# Altium PCB DI543.PcbDoc (part 1 of 8) (continued)
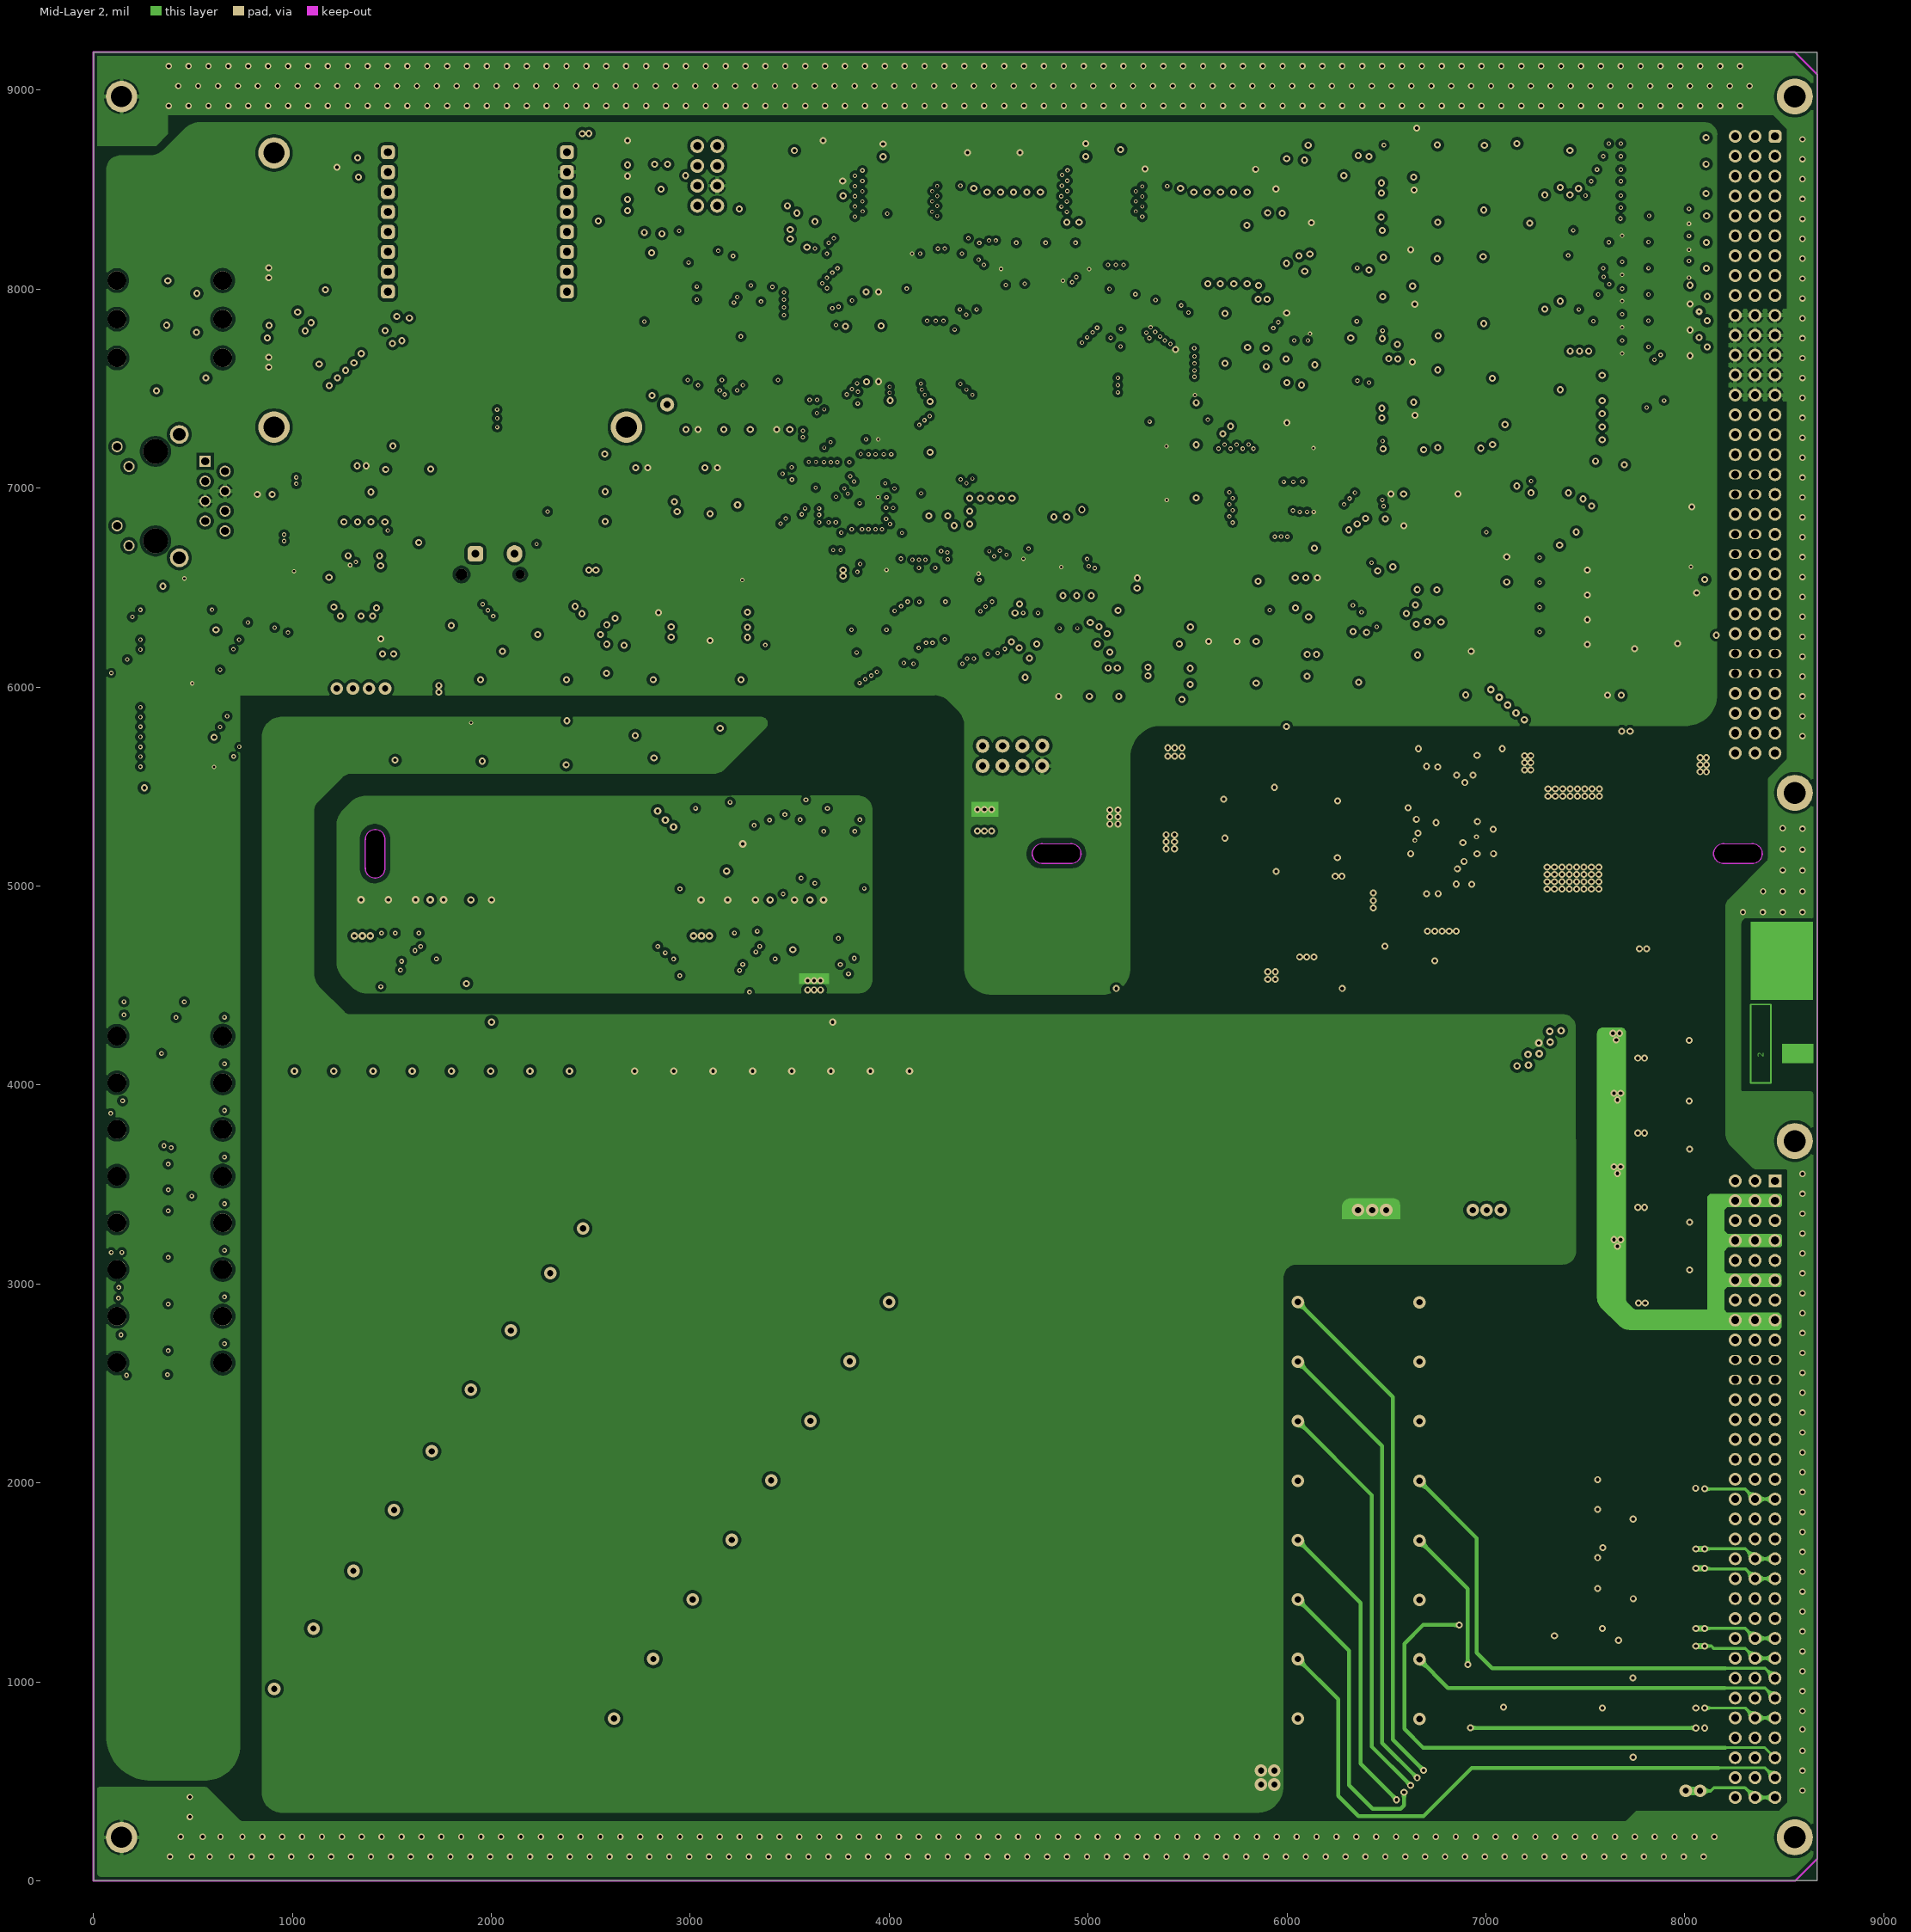
[diagram p3: Mid-Layer 2]

## Layer stack, top to bottom
Top Solder: solder mask 0.4, SM-001, Dk 3.5
Top Layer: signal copper 1.4
Dielectric 1: core 10, FR-4, Dk 4.2
Mid-Layer 1: signal copper 1.4
Dielectric2: dielectric 10, FR-4, Dk 4.2
Mid-Layer 2: signal copper 1.4
Dielectric3: dielectric 10, FR-4, Dk 4.2
Bottom Layer: signal copper 1.4
Bottom Solder: solder mask 0.4, SM-001, Dk 3.5

## Board outline
0,0 0,9192.01 8666.42,9192.01 8666.42,0
cut-out: 4768.1,5114 cw(c4768.05,5161.95) 4720.1,5162 cw(c4770.05,5163.05) 4769,5213 4914,5213 cw(c4914,5162) 4965,5162 cw(c4917,5162) 4917,5114
cut-out: 8193.1,5114 cw(c8193.05,5161.95) 8145.1,5162 cw(c8195.05,5163.05) 8194,5213 8339,5213 cw(c8339,5162) 8390,5162 cw(c8342,5162) 8342,5114
cut-out: 1367,5233.95 cw(c1417.91,5234.05) 1416.98,5284.95 cw(c1415.03,5234.03) 1466,5234.03 1466,5090 cw(c1416,5090) 1416.97,5040.01 cw(c1415.95,5088.96) 1367,5087.94

## Design rules (kind name [scope] priority, off if disabled: settings)
AssemblyTestPointUsage [All] p1: valid=2
Clearance [All] p1: gap=10 ignorepadtopadclearanceinfootprint=FALSE except(5: Arc-Arc Arc-Track Arc-SMDPad Track-Track Track-SMDPad SMDPad-SMDPad SMDPad-THPad; 15: Arc-Poly Track-Poly SMDPad-Poly THPad-Poly Via-Poly Fill-Poly Poly-Poly)
ComponentClearance [All] p1 off: gap=10 collisioncheckmode=3 verticalgap=10 showdistances=FALSE
DiffPairsRouting [All] p1: maxlimit=20 minlimit=8.66 mostfreqgap=20 toplayer_minwidth=7 toplayer_maxwidth=20 toplayer_prefwidth=20 midlayer1_mingap=10 midlayer1_minwidth=7 midlayer1_maxwidth=20 midlayer1_prefwidth=20 midlayer2_mingap=10 midlayer2_minwidth=7 midlayer2_maxwidth=20 midlayer2_prefwidth=20 bottomlayer_minwidth=7 bottomlayer_maxwidth=20 bottomlayer_prefwidth=20 maxuncoupledlength=500
FabricationTestPointUsage [All] p1: valid=2 allowmultiple=FALSE
HoleSize [All] p1: absolutevalues=TRUE maxlimit=200 minlimit=11.81 maxpercent=80.000 minpercent=20.000
MinimumSolderMaskSliver [All] p1 off: minsoldermaskwidth=10
NetAntennae [All] p1 off: netantennaetolerance=0
PlaneClearance [All] p1: clearance=5
PlaneConnect [All] p1: planeconnectstyle=Relief reliefexpansion=20 reliefentries=4 reliefconductorwidth=20 reliefairgap=5
PolygonConnect [All] p1: thpad.connectstyle=Relief thpad.reliefconductorwidth=20 thpad.reliefentries=4 thpad.polygonreliefangle="90 Angle" thpad.airgapwidth=10 smdpad.connectstyle=Direct smdpad.reliefconductorwidth=20 smdpad.reliefentries=4 smdpad.polygonreliefangle="90 Angle" smdpad.airgapwidth=10 via.connectstyle=Direct via.reliefconductorwidth=20 via.reliefentries=4 via.polygonreliefangle="90 Angle" via.airgapwidth=10
RoutingVias [All] p1: holewidth=20 width=30 viastyle="Through Hole" minholewidth=7 minwidth=14 maxholewidth=35 maxwidth=65
SilkToSilkClearance [All] p1 off: silktosilkclearance=10
SilkToSolderMaskClearance SilkscreenOverComponentPads [IsPad] p1 off: minsilkscreentomaskgap=1 clearancetoexposedcopper=TRUE
SolderMaskExpansion [All] p1: expansion=4 istentingtop=FALSE
Width [All] p1: maxlimit=200 minlimit=5.91 preferedwidth=20 midlayer1_minwidth=7 midlayer2_minwidth=7 bottomlayer_minwidth=7 minimp=50.000000 maximp=50.000000 favimp=50.000000
19 further rules are at their usual default settings.

## Classes and differential pairs
net class test: RD2_N RD2_P TD2_N TD2_P
component class P15_Input.SchDoc: C121 C126 C127 C128 C129 C130 C131 C132 C133 C134 C135 C136 C137 C138 C139 C140 C141 C142 C143 C144 C145 C146 C147 C148 CP1 CP2 D1_F D2_F D3_F D4_F D5_F D6_F D7_F D8_F D9_F D10_F D11_F D12_F D13_F D14_F D15_F D16_F D23 D24 D25 D26 D27 D28 D29 D30 D39 D40 D41 D42 D43 D44 D45 D46 DP1 DP2 R175 R176 R222 R223 R224 R225 R226 R227 R228 R229 R230 R231 R232 R233 R234 R235 R236 R237 R238 R239 R240 R241 R242 R243 R244 R245 R246 R247 R248 R249 R251 R252 R253 R254 R255 R256 R257 R260 R261 R262 R263 R264 R265 R266 R267 R268 R269 R270 R271 R272 R273 R274 R275 RL1 RL2 RP1 RP2 U27 U28
component class P14_JTAG.SchDoc: J26 R164 R165 R166 R167 R168 R169 R170 U21
component class P13_EMMC.SchDoc: C104 C105 C106 C107 C108 C109 C110 C111 C112 C113 C114 C115 C116 R161 R162 R163 TP1 U20
component class P12_LED.SchDoc: C103 J_1 J_2 J_3 LED_1 LED_2 LED_3 LED_4 LED_5 LED_6 R155 R156 R157 R158 R159 R160 U19
component class P11_Peripheral.SchDoc: C96 C97 C98 C99 C100 C101 C102 C169 C170 R137 R138 R139 R140 R141 R142 R143 R144 R145 R146 R147 R148 R149 R150 R151 R152 R153 R154 R288 R289 R290 R291 R292 R293 R294 R295 R296 R297 R298 R299 R300 R301 R302 R303 U16 U17 U18 U_1 U_2
component class P10_RTC.SchDoc: C94 C95 D14 R133 R134 R135 R136 U15
component class P9_Globalinterface.SchDoc: C123 C125 J1 J2 J3 J4 J5 J6 J7 J8 LED1 LED2 LED3 LED4 LED5 LED6 LED7 LED8 LED9 LED10 LED11 LED12 LED13 LED14 LED15 LED16 P1 P2 P3 P4 R184 R185 R186 R187 R189 R191 R193 R195 R197 R199 R201 R203 R205 R207 R209 R211 R213 R215 R217 U23 U24
component class P6_CAN.SchDoc: C62 C63 C64 C65 C66 C67 C68 C69 C70 C71 C72 C73 C74 C75 C76 C77 C78 C79 C183 C184 C185 D11 D12 D13 L5 L6 L7 R71 R74 R75 R76 R77 R78 R79 R80 R81 R82 R83 R84 R85 R87 R88 R89 R90 R91 R92 R93 R94 R95 R96 R97 U7 U8 U9 U10 U11 U12 X_C1 X_C2 X_C3 Y1 Y2 Y3
component class P5_Interface.SchDoc: C58 C59 C60 C61 C93 C118 C119 C120 C122 C124 C149 C150 C151 C152 C153 C154 C155 C156 C157 C158 C159 C160 C161 C162 C163 C164 C165 C166 C167 C168 D47 D48 D49 D50 DT13 DT14 DT15 DT16 ISO1 ISO2 ISO3 ISO4 LEDF1 LEDF2 LEDF3 LEDF4 R181 R182 R188 R190 R192 R194 R196 R198 R200 R202 R204 R206 R208 R210 R212 R214 R216 R218 R250 R258 R259 R276 R277 R278 R279 R280 R281 R282 R283 R284 R285 R286 U6
component class P4_Power.SchDoc: 24V C42 C43 C44 C45 C46 C47 C48 C49 C50 C51 C52 C53 C54 C55 C56 C57 C171 C172 C173 C174 C175 C176 C177 C178 C179 C180 C181 C182 D7 D8 D9 D10 D15 D16 D17 D18 D19 D51 D53 DT5 DT6 DT7 DT8 EF1 EF2 EF3 EF4 EF5 F1 G-24 L2 L3 L4 R70 R72 R73 R304 R305 R306 R307 R308 R309 R310 R311 R312 R313 R314 R315 R316 R317 R318 TP2 TP3 TP4 TP5 U4 U5
component class P3_LowerConnector.SchDoc: DCNCF1 JP1 PCB1 PCB2
component class P2_UpperConnector.SchDoc: C34 C35 C36 C37 C38 C39 C40 C41 D1 D2 D3 D4 D5 D6 DCNCP1 DT1 DT2 DT3 DT4 R57 R58 R59 R60 R61 R62 R63 R64 R65 R66 R67 R68 R69 R287 U1 U2 U3
net class DIN[1..16]: DIN1 DIN2 DIN3 DIN4 DIN5 DIN6 DIN7 DIN8 DIN9 DIN10 DIN11 DIN12 DIN13 DIN14 DIN15 DIN16
net class RET24F-[1..4]: RET24F-1 RET24F-2 RET24F-3 RET24F-4
net class LED[1..5]: LED1 LED2 LED3 LED4 LED5
net class FPW[1..4]: FPW1 FPW2 FPW3 FPW4
net class FPOW[1..4]: FPOW1 FPOW2 FPOW3 FPOW4
net class D[0..7]: D0 D1 D2 D3 D4 D5 D6 D7
net class BPA[0..5]: BPA0 BPA1 BPA2 BPA3 BPA4 BPA5
net class A_CS[0..1]: A_CS0 A_CS1
component class P1_Micro.SchDoc: B1 BT1 C1 C2 C3 C4 C5 C6 C7 C8 C9 C10 C11 C12 C13 C14 C15 C16 C17 C18 C19 C20 C21 C22 C23 C24 C25 C26 C27 C28 C29 C30 C31 C32 C33 L1 R1 R2 R3 R4 R5 R6 R7 R8 R9 R10 R11 R12 R13 R14 R15 R16 R17 R18 R19 R20 R21 R22 R23 R24 R25 R26 R27 R28 R29 R30 R31 R32 R33 R34 R35 R36 R37 R38 R39 R40 R41 R42 R43 R44 R45 R46 R47 R48 R49 R50 R51 R52 R53 R54 R55 R56 R177 R178 R179 R180 R183 R219 R220 R221 UC1 VDDA X1 X2 "X 2"
differential pair TD: +TD_P -TD_N
differential pair TD2: +TD2_P -TD2_N
differential pair TD1: +TD1_P -TD1_N
differential pair RD: +RD_P -RD_N
differential pair RD2: +RD2_P -RD2_N
differential pair RD1: +RD1_P -RD1_N
differential pair TDB: +TDB_P -TDB_N
differential pair RDB: +RDB_P -RDB_N

## Components (designator, comment, footprint, x,y, rotation, side; value= is the part's Value field where it differs from the comment)
24V "Yellow" "TEST Point Yellow"#1 4545.32,5454.24 r90 top
B1 "Pushbutton" PushBotton 5793.18,6355.9 r180 top
BT1 "CR1220 Holder" "BAT Holder 1220" 1849.03,6563.94 r0 top
C1 "1pF,50V" "CAP 0603"#1 4636.8,5997.56 r0 top
C2 "1pF,50V" "CAP 0603"#1 4636.8,6107.02 r0 top
C3 "5.6pF 250V" "CAP 0603"#1 4985.73,6022.29 r90 top
C4 "5.6pF 250V" "CAP 0603"#1 5111.31,6023.29 r270 top
C5 "100nF, 50V" "CAP 0603"#1 4943.89,6393.38 r270 top
C6 "2.2uF" "CAP 0603"#1 4752.44,8123.7 r270 top
C7 "100nF, 50V" "CAP 0603"#1 4826.96,8123.7 r270 top
C8 "4.7uF, 35V" 3528-21 5755.79,6157.29 r270 top
C9 "4.7uF, 35V" 3528-21 5607.01,6157.29 r270 top
C10 "1uF,35V" "TANTAL 1206" 5455.84,6099.31 r180 top
C11 "1uF,35V" "TANTAL 1206" 5455.84,6006.92 r180 top
C12 "100nF, 50V" "CAP 0603"#2 4941.89,6530 r90 top
C13 "100nF, 50V" "CAP 0603"#1 5012.77,6530 r90 top
C14 "100nF, 50V" "CAP 0603"#1 3915.43,7280 r0 top
C15 "100nF, 50V" "CAP 0603"#1 3915.43,6925.16 r0 top
C16 "100nF, 50V" "CAP 0603"#1 4901.48,8123.7 r270 top
C17 "100nF, 50V" "CAP 0603"#1 3915.43,7580 r0 top
C18 "100nF, 50V" "CAP 0603"#1 4412.51,6530 r90 top
C19 "100nF, 50V" "CAP 0603"#1 5168.08,6530 r90 top
C20 "100nF, 50V" "CAP 0603"#2 4873,6530 r90 top
C21 "100nF, 50V" "CAP 0603"#1 4677.92,8123.7 r270 top
C22 "100nF, 50V" "CAP 0603"#1 4659.92,6530 r90 top
C23 "2.2uF, 25V" "Cap 1206" 3669.43,8035.7 r180 top
C24 "2.2uF, 25V" "Cap 1206" 5611,8056 r90 top
C25 "100nF, 50V" "CAP 0603"#1 5473,7436 r180 top
C26 "100nF, 50V" "CAP 0603"#3 5472.83,7658.2 r180 top
C27 "100nF, 50V" "CAP 0603"#1 5474,6948 r180 top
C28 "100nF, 50V" "CAP 0603"#2 5472.83,7217 r180 top
C29 "100nF, 50V" "CAP 0603"#1 5472.83,7832.14 r180 top
C30 "100nF, 50V" "CAP 0603"#1 4199.05,8123.7 r270 top
C31 "100nF, 50V" "CAP 0603"#1 3915.43,7899 r0 top
C32 "100nF, 50V" "CAP 0603"#1 4976,8123.7 r270 top
C33 "100nF, 50V" "CAP 0603"#1 4603.4,8123.7 r270 top
C34 "100nF, 50V" "CAP 0603"#1 6555,7047.38 r180 top
C35 "100nF, 50V" "CAP 0603"#1 7754.92,8403.03 r0 top
C36 "100nF, 50V" "CAP 0603"#1 7755,8205.3 r0 top
C37 "100nF, 50V" "CAP 0603"#1 7755,8139.39 r0 top
C38 "100nF, 50V" "CAP 0603"#1 7755,8007.56 r0 top
C39 "100nF, 50V" "CAP 0603"#1 7036.27,6150.64 r180 top
C40 "100nF, 50V" "CAP 0603"#1 7755,7875.74 r0 top
C41 "100nF, 50V" "CAP 0603"#1 7755,7743.91 r0 top
C42 "4.7nF, 2KV" "CAP 1812"#1 7886,2681.99 r90 top
C43 "4.7nF, 2KV" "CAP 1812"#1 8159,3698.77 r270 top
C44 "4.7nF, 2KV" "CAP 1812"#1 7886,3283.55 r90 top
C45 "4.7nF, 2KV" "CAP 1812"#1 8159,4300.34 r270 top
C46 "15uF, 50V" 7343 7703.1,5489.2 r0 top
C47 "15uF, 50V" 7343 7703.1,5282.7 r0 top
C48 "10uF, 50V" 7343 7703.1,5076.2 r0 top
C49 "4.7nF, 2KV" "CAP 1812"#1 8159,4601.12 r270 top
C50 "100nF, 50V" "CAP 0603"#1 6645.19,4557.25 r0 top
C51 "100nF, 50V" "CAP 0603"#1 6523.54,4554.99 r180 top
C52 "100uF, 25V" 7343 6099,4773 r180 top
C53 "470nF, 25V" "Cap 1206" 6685,5278.25 r270 top
C54 "3.3uF, 25V" "Cap 1206" 5023.88,5510.88 r180 top
C55 "100uF, 6.3V" 3528-21 5868.84,5443.88 r90 top
C56 "1uF, 25V" "Cap 1206" 7059,5710.23 r90 top
C57 "470nF, 25V" "Cap 1206" 6685,4685.09 r270 top
C58 "100nF, 50V" "CAP 0603"#1 7566.37,736.39 r90 top
C59 "100nF, 50V" "CAP 0603"#1 7566.37,1147.09 r90 top
C60 "100nF, 50V" "CAP 0603"#1 7566.37,1550.03 r90 top
C61 "100nF, 50V" "CAP 0603"#1 7566.37,1947.96 r90 top
C62 "22pF,50V" "CAP 0603"#1 6829,8399 r0 top
C63 "22pF,50V" "CAP 0603"#1 7064,8733 r0 top
C64 "22pF,50V" "CAP 0603"#1 6830,8336 r180 top
C65 "22pF,50V" "CAP 0603"#1 7065,8397 r180 top
C66 "22pF,50V" "CAP 0603"#1 6555,8594.15 r180 top
C67 "22pF,50V" "CAP 0603"#1 6555,8529.61 r180 top
C68 "22pF,50V" "CAP 0603"#1 6829,7833 r0 top
C69 "22pF,50V" "CAP 0603"#1 7064,8164 r0 top
C70 "22pF,50V" "CAP 0603"#1 6830,7765 r180 top
C71 "22pF,50V" "CAP 0603"#1 7065,7831 r180 top
C72 "22pF,50V" "CAP 0603"#1 6555,8022.89 r180 top
C73 "22pF,50V" "CAP 0603"#1 6555,7958.42 r180 top
C74 "22pF,50V" "CAP 0603"#1 6829,7272 r0 top
C75 "22pF,50V" "CAP 0603"#1 7064,7603 r0 top
C76 "22pF,50V" "CAP 0603"#1 6830,7204 r180 top
C77 "22pF,50V" "CAP 0603"#1 7065,7270 r180 top
C78 "22pF,50V" "CAP 0603"#1 6555,7462.09 r180 top
C79 "22pF,50V" "CAP 0603"#1 6555,7397.57 r180 top
C80 "100nF" "CAP 0603"#3 7036.27,6213.46 r180 top
C81 "100nF, 50V" "CAP 0603"#4 6495.29,6741.48 r270 top
C82 "100nF" "CAP 0603"#1 6926.62,6054.48 r90 top
C83 "100nF" "CAP 0603"#4 6433.39,6741.48 r270 top
C84 "100nF" "CAP 0603"#1 6266.23,6341.08 r0 top
C85 "22pF,50V" "CAP 0603"#5 6266.23,6278.27 r0 top
C86 "22pF,50V" "CAP 0603"#1 6267.23,6150.64 r180 top
C87 "100nF" "CAP 0603"#1 6431.39,6054.48 r90 top
C88 "100nF" "CAP 0603"#4 6681.01,6741.48 r270 top
C89 "100nF" "CAP 0603"#1 6493.29,6054.48 r90 top
C90 "10uF" "TANTAL 1206" 6276.49,6039.11 r180 top
C91 "10nF ,50V" "CAP 0603"#1 7679.21,6108.46 r90 top
C92 "10nF ,50V" "CAP 0603"#1 7442.25,6713.74 r0 top
C93 "4.7nF, 2KV" "CAP 1812"#2 8191.84,571.65 r180 top
C94 "100nF, 50V" "CAP 0603"#1 1328.77,6901.16 r270 top
C95 "1.5F" "SUPER CAP TH D20.00mm S5.00mm H6.00mm" 2019,6670 r180 top
C96 "100nF, 50V" "CAP 0603"#1 2756.2,7062.68 r0 top
C97 "100nF, 50V" "CAP 0603"#1 3106.6,7060.68 r180 top
C98 "100nF, 50V" "CAP 0603"#1 3299.48,8716.51 r90 top
C99 "100nF, 50V" "CAP 0603"#1 3707.48,8720.53 r90 top
C100 "100nF, 50V" "CAP 0603"#1 3299.48,8571.01 r90 top
C101 "100nF, 50V" "CAP 0603"#1 3707.48,8608.01 r90 top
C102 "100nF, 50V" "CAP 0603"#1 3299.48,8425.51 r90 top
C103 "100nF,16V" "CAP 0603"#4 1053.84,7621.39 r180 top
C104 "1nF,50V" "CAP 0603"#1 2894,7510.01 r0 top
C105 "1uF" "CAP 0603"#1 2894,7776.53 r0 top
C106 "100nF, 50V" "CAP 0603"#1 2894,7843.16 r0 top
C107 "100nF, 50V" "CAP 0603"#1 3267.79,7375.12 r90 top
C108 "100nF, 50V" "CAP 0603"#1 2894,7576.64 r0 top
C109 "100nF, 50V" "CAP 0603"#1 3135.13,7375.12 r90 top
C110 "4.7F, 50V" "CAP 0603"#1 3466.78,7375.12 r90 top
C111 "100nF, 50V" "CAP 0603"#1 3334.12,7375.12 r90 top
C112 "100nF, 50V" "CAP 0603"#1 3533.11,7375.12 r90 top
C113 "4.7F, 50V" "CAP 0603"#1 2894,7643.27 r0 top
C114 "100nF, 50V" "CAP 0603"#1 3201.46,7375.12 r90 top
C115 "100nF, 50V" "CAP 0603"#1 3442,8103.4 r270 top
C116 "100nF, 50V" "CAP 0603"#1 2894,7709.9 r0 top
C117 "1000pF,2KV" "Cap 1206" 8178.39,5714.8 r270 top
C118 "10nF ,50V" "CAP 0603"#1 2756.2,6499.51 r0 top
C119 "22uF, 35V" "CAP Tantal 7343" 4500.96,-7762.77 r0 top
C120 "100nF, 50V" "CAP 0603"#6 1696.83,5685.76 r270 top
C121 "100nF, 50V" "CAP 0603"#1 1723.62,4843.47 r270 top
C122 "4.7nF, 2KV" "CAP 1812"#2 8191.84,394.49 r180 top
C123 "100nF, 50V" "CAP 0603"#1 426.24,5969.59 r0 top
C124 "4.7nF, 2KV" "CAP 1812"#2 8191.84,972.84 r180 top
C125 "100nF, 50V" "CAP 0603"#1 426.24,6508.19 r0 top
C126 "1nF,50V" "CAP 0603"#1 1930,4315 r180 top
C127 "100nF, 50V" "CAP 0603"#1 920.38,4021.2 r180 top
C128 "100nF, 50V" "CAP 0603"#1 1117.59,4021.2 r180 top
C129 "100nF, 50V" "CAP 0603"#1 1314.79,4021.38 r180 top
C130 "100nF, 50V" "CAP 0603"#1 1512.34,4021.2 r180 top
C131 "100nF, 50V" "CAP 0603"#1 1709.9,4021.2 r180 top
C132 "100nF, 50V" "CAP 0603"#1 1907.45,4021.2 r180 top
C133 "100nF, 50V" "CAP 0603"#1 2105.01,4021.2 r180 top
C134 "100nF, 50V" "CAP 0603"#1 2302.56,4021.2 r180 top
C135 "1uF" "CAP 0603"#1 1310.62,4842.61 r90 top
C136 "100nF, 50V" "CAP 0603"#1 1379.12,4842.61 r90 top
C137 "1uF" "CAP 0603"#1 3019.28,4842.47 r90 top
C138 "100nF, 50V" "CAP 0603"#1 3087.78,4842.47 r90 top
C139 "100nF, 50V" "CAP 0603"#1 3432.28,4843.47 r270 top
C140 "1nF,50V" "CAP 0603"#1 3634.27,4315 r180 top
C141 "100nF, 50V" "CAP 0603"#1 2627.43,4021.2 r180 top
C142 "100nF, 50V" "CAP 0603"#1 2824.92,4021.2 r180 top
C143 "100nF, 50V" "CAP 0603"#1 3022.42,4021.2 r180 top
C144 "100nF, 50V" "CAP 0603"#1 3219.92,4021.2 r180 top
C145 "100nF, 50V" "CAP 0603"#1 3417.41,4021.2 r180 top
C146 "100nF, 50V" "CAP 0603"#1 3614.91,4021.2 r180 top
C147 "100nF, 50V" "CAP 0603"#1 3812.41,4021.2 r180 top
C148 "100nF, 50V" "CAP 0603"#1 4009.91,4021.2 r180 top
C149 "10nF ,50V" "CAP 0603"#1 3385.43,6436.58 r180 top
C150 "22uF, 35V" "CAP Tantal 7343" 4500.96,-7352.44 r0 top
C151 "100nF, 50V" "CAP 0603"#6 2565.3,5685.76 r270 top
C152 "4.7nF, 2KV" "CAP 1812"#2 8190.69,792.72 r180 top
C153 "4.7nF, 2KV" "CAP 1812"#2 8191.84,1370.62 r180 top
C154 "10nF ,50V" "CAP 0603"#1 3385.43,6498.37 r180 top
C155 "22uF, 35V" "CAP Tantal 7343" 4500.96,-6953.67 r0 top
C156 "100nF, 50V" "CAP 0603"#6 2997.7,5685.76 r270 top
C157 "4.7nF, 2KV" "CAP 1812"#2 8191.84,1191.49 r180 top
C158 "4.7nF, 2KV" "CAP 1812"#2 8191.84,1771.38 r180 top
C159 "10nF ,50V" "CAP 0603"#1 2756.2,6251.21 r0 top
C160 "22uF, 35V" "CAP Tantal 7343" 4500.96,-6553.9 r0 top
C161 "100nF, 50V" "CAP 0603"#6 2133.42,5685.76 r270 top
C162 "4.7nF, 2KV" "CAP 1812"#2 8191.84,1591.26 r180 top
C163 "100nF, 50V" "CAP 0603"#1 3384.43,6685.74 r0 top
C164 "100nF, 50V" "CAP 0603"#1 3384.43,6253.21 r0 top
C165 "100nF, 50V" "CAP 0603"#1 2757.2,6683.74 r180 top
C166 "100nF, 50V" "CAP 0603"#1 3071.32,6683.74 r180 top
C167 "100nF, 50V" "CAP 0603"#1 3070.32,6623.95 r0 top
C168 "100nF, 50V" "CAP 0603"#5 2757.2,6435.44 r180 top
C169 "100nF, 50V" "CAP 0603"#5 4049.66,8666.98 r0 top
C170 "100nF, 50V" "CAP 0603"#5 5068.64,8666.98 r0 top
C171 "100uF, 6.3V" 3528-21 5868.84,5122.84 r270 top
C172 "1uF, 25V" "Cap 1206" 7214,4864.77 r270 top
C173 "3.3uF, 25V" "Cap 1206" 5023.88,5038.84 r180 top
C174 "33uF, 25V" 7343 6099.61,4561 r180 top
C175 "3.3uF, 25V" "Cap 1206" 6703.29,5158 r0 top
C176 "3.3uF, 25V" "Cap 1206" 6703.29,5566 r0 top
C177 "100nF,16V" "CAP 0603"#1 6886.1,4931.09 r90 top
C178 "100nF,16V" "CAP 0603"#1 6886.1,5636.25 r90 top
C179 "22pF,50V" "CAP 0603"#1 6700.38,5201.69 r270 top
C180 "22pF,50V" "CAP 0603"#1 6698.38,5367.25 r90 top
C181 "330pF,50V" "CAP 0603"#1 6816.04,5517.23 r270 top
C182 "220pF,50V" "CAP 0603"#1 6814.04,5057.77 r90 top
C183 "100nF,16V" "CAP 0603"#1 6685.21,8723.22 r180 top
C184 "100nF,16V" "CAP 0603"#1 6679.74,8152.83 r180 top
C185 "100nF,16V" "CAP 0603"#1 6683,7592 r180 top
CN1 "PORT Ethernet" RJ45 342.86,6962.89 r90 top net-tie
CP1 "4.7uF, 50V" "Cap 1206" 1823.52,4222 r180 top
CP2 "4.7uF, 50V" "Cap 1206" 3538,4222 r180 top
D1 "40V, 0.3A, DUAL" SOT23 7982.44,8404.22 r0 top
D1_F "LED" "LED 0603 - Green" 2719.75,3979.92 r90 top
D2 "40V, 0.3A, DUAL" SOT23 7982.44,8272.81 r0 top
D2_F "LED" "LED 0603 - Green" 2917.25,3979.92 r90 top
D3 "40V, 0.3A, DUAL" SOT23 7982.44,8141.4 r0 top
D3_F "LED" "LED 0603 - Green" 3114.74,3979.92 r90 top
D4 "40V, 0.3A, DUAL" SOT23 7982.44,8009.99 r0 top
D4_F "LED" "LED 0603 - Green" 3312.24,3979.92 r90 top
D5 "40V, 0.3A, DUAL" SOT23 7982.44,7878.58 r0 top
D5_F "LED" "LED 0603 - Green" 3509.74,3979.92 r90 top
D6 "40V, 0.3A, DUAL" SOT23 7982.44,7747.18 r0 top
D6_F "LED" "LED 0603 - Green" 3707.23,3979.92 r90 top
D7 "40V, 1.1A" DO-219AB#1 7649,4513.65 r90 top
D7_F "LED" "LED 0603 - Green" 3904.73,3979.92 r90 top
D8 "40V, 1.1A" DO-219AB#1 8017,4513.65 r90 top
D8_F "LED" "LED 0603 - Green" 4102.23,3979.92 r90 top
D9 "40V, 1.1A" DO-219AB#1 7894.33,4513.65 r90 top
D9_F "LED" "LED 0603 - Green" 1012.74,3979.92 r90 top
D10 "40V, 1.1A" DO-219AB#1 7771.67,4513.65 r90 top
D10_F "LED" "LED 0603 - Green" 1209.94,3979.92 r90 top
D11 "NUP2105LT1G" SOT23 7294.5,8601 r0 top
D11_F "LED" "LED 0603 - Green" 1407.14,3980.1 r90 top
D12 "NUP2105LT1G" SOT23 7294.5,8030 r0 top
D12_F "LED" "LED 0603 - Green" 1604.68,3979.92 r90 top
D13 "NUP2105LT1G" SOT23 7294.5,7469 r0 top
D13_F "LED" "LED 0603 - Green" 1802.23,3979.92 r90 top
D14 "40V, 1.1A" DO-219AB#2 1372.2,7055.06 r180 top
D14_F "LED" "LED 0603 - Green" 1999.78,3979.92 r90 top
D15 "40V, 0.5A" SOD-323F 6702.32,5559.83 r270 top
D15_F "LED" "LED 0603 - Green" 2197.33,3979.92 r90 top
D16 "60V, 3A" DO-214AC 6494.61,5621.25 r180 top
D16_F "LED" "LED 0603 - Green" 2394.88,3979.92 r90 top
D17 "Green" LED-0805#1 5142.27,4629.34 r0 top
D18 "40V, 0.5A" SOD-323F 6702.32,5015.17 r90 top
D19 "60V, 3A" DO-214AC 6494.61,4947.09 r180 top
D23 "SMCJ36CA" "DO-214AB - Unpolarized" 7002.61,814.93 r180 top
D24 "SMCJ36CA" "DO-214AB - Unpolarized" 7002.61,1114.12 r180 top
D25 "SMCJ36CA" "DO-214AB - Unpolarized" 7002.61,1413.32 r180 top
D26 "SMCJ36CA" "DO-214AB - Unpolarized" 7002.61,1712.52 r180 top
D27 "SMCJ36CA" "DO-214AB - Unpolarized" 7002.61,2011.71 r180 top
D28 "SMCJ36CA" "DO-214AB - Unpolarized" 7002.61,2310.91 r180 top
D29 "SMCJ36CA" "DO-214AB - Unpolarized" 7002.61,2610.11 r180 top
D30 "SMCJ36CA" "DO-214AB - Unpolarized" 7002.61,2909.3 r180 top
D39 "SMCJ36CA" "DO-214AB - Unpolarized" 6430,814.93 r180 top
D40 "SMCJ36CA" "DO-214AB - Unpolarized" 6430,1114.12 r180 top
D41 "SMCJ36CA" "DO-214AB - Unpolarized" 6430,1413.32 r180 top
D42 "SMCJ36CA" "DO-214AB - Unpolarized" 6430,1712.52 r180 top
D43 "SMCJ36CA" "DO-214AB - Unpolarized" 6430,2011.71 r180 top
D44 "SMCJ36CA" "DO-214AB - Unpolarized" 6430,2310.91 r180 top
D45 "SMCJ36CA" "DO-214AB - Unpolarized" 6430,2610.11 r180 top
D46 "SMCJ36CA" "DO-214AB - Unpolarized" 6430,2909.3 r180 top